# KiCad board RoyBoard.kicad_pcb (continued)
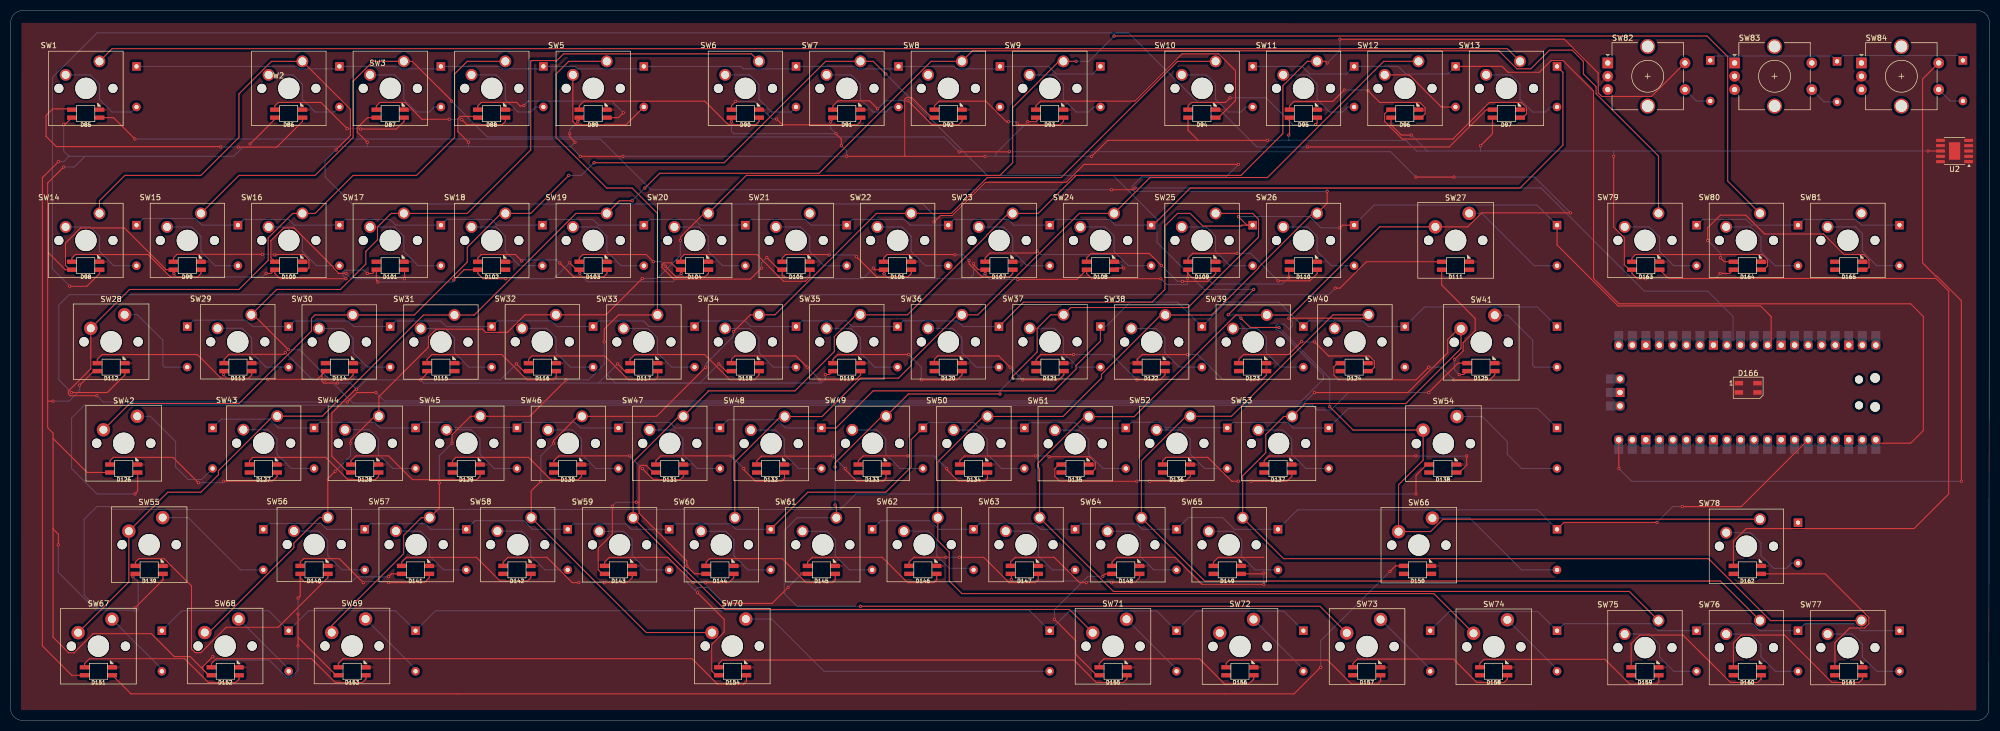
[diagram p0: board, top side]
## Nets (continued)
Net-(D44-A): D44.2 SW44.2
Net-(D45-A): D45.2 SW45.2
Net-(D46-A): D46.2 SW46.2
Net-(D47-A): D47.2 SW47.2
Net-(D48-A): D48.2 SW48.2
Net-(D49-A): D49.2 SW49.2
Net-(D50-A): D50.2 SW50.2
Net-(D51-A): D51.2 SW51.2
Net-(D52-A): D52.2 SW52.2
Net-(D53-A): D53.2 SW53.2
Net-(D54-A): D54.2 SW54.2
Net-(D55-A): D55.2 SW55.2
Net-(D56-A): D56.2 SW56.2
Net-(D57-A): D57.2 SW57.2
Net-(D58-A): D58.2 SW58.2
Net-(D59-A): D59.2 SW59.2
Net-(D60-A): D60.2 SW60.2
Net-(D61-A): D61.2 SW61.2
Net-(D62-A): D62.2 SW62.2
Net-(D63-A): D63.2 SW63.2
Net-(D64-A): D64.2 SW64.2
Net-(D65-A): D65.2 SW65.2
Net-(D66-A): D66.2 SW66.2
Net-(D67-A): D67.2 SW67.2
Net-(D68-A): D68.2 SW68.2
Net-(D69-A): D69.2 SW69.2
Net-(D70-A): D70.2 SW70.2
Net-(D71-A): D71.2 SW71.2
Net-(D72-A): D72.2 SW72.2
Net-(D73-A): D73.2 SW73.2
Net-(D74-A): D74.2 SW74.2
Net-(D75-A): D75.2 SW75.2
Net-(D76-A): D76.2 SW76.2
Net-(D77-A): D77.2 SW77.2
Net-(D78-A): D78.2 SW78.2
Net-(D79-A): D79.2 SW79.2
Net-(D80-A): D80.2 SW80.2
Net-(D81-A): D81.2 SW81.2
Net-(D82-A): D82.2 SW83.S2
Net-(D83-A): D83.2 SW82.S2
Net-(D84-A): D84.2 SW84.S2
Net-(D85-DOUT): D85.1 D86.3
Net-(D86-DOUT): D86.1 D87.3
Net-(D87-DOUT): D87.1 D88.3
Net-(D88-DOUT): D88.1 D89.3
Net-(D89-DOUT): D89.1 D90.3
Net-(D90-DOUT): D90.1 D91.3
Net-(D91-DOUT): D91.1 D92.3
Net-(D92-DOUT): D92.1 D93.3
Net-(D93-DOUT): D93.1 D94.3
Net-(D94-DOUT): D94.1 D95.3
Net-(D95-DOUT): D95.1 D96.3
Net-(D96-DOUT): D96.1 D97.3
Net-(D97-DOUT): D97.1 D98.3
Net-(D98-DOUT): D98.1 D99.3
Net-(D100-DIN): D99.1 D100.3
Net-(D100-DOUT): D100.1 D101.3
Net-(D101-DOUT): D101.1 D102.3
Net-(D102-DOUT): D102.1 D103.3
Net-(D103-DOUT): D103.1 D104.3
Net-(D104-DOUT): D104.1 D105.3
Net-(D105-DOUT): D105.1 D106.3
Net-(D106-DOUT): D106.1 D107.3
Net-(D107-DOUT): D107.1 D108.3
Net-(D108-DOUT): D108.1 D109.3
Net-(D109-DOUT): D109.1 D110.3
Net-(D110-DOUT): D110.1 D111.3
Net-(D111-DOUT): D111.1 D112.3
Net-(D112-DOUT): D112.1 D113.3
Net-(D113-DOUT): D113.1 D114.3
Net-(D114-DOUT): D114.1 D115.3
Net-(D115-DOUT): D115.1 D116.3
Net-(D116-DOUT): D116.1 D117.3
Net-(D117-DOUT): D117.1 D118.3
Net-(D118-DOUT): D118.1 D119.3
Net-(D119-DOUT): D119.1 D120.3
Net-(D120-DOUT): D120.1 D121.3
Net-(D121-DOUT): D121.1 D122.3
Net-(D123-DOUT): D123.1 D124.3
Net-(D124-DOUT): D124.1 D125.3
Net-(D125-DOUT): D125.1 D126.3
Net-(D126-DOUT): D126.1 D127.3
Net-(D127-DOUT): D127.1 D128.3
Net-(D128-DOUT): D128.1 D129.3
Net-(D129-DOUT): D129.1 D130.3
Net-(D130-DOUT): D130.1 D131.3
Net-(D131-DOUT): D131.1 D132.3
Net-(D132-DOUT): D132.1 D133.3
Net-(D133-DOUT): D133.1 D134.3
Net-(D134-DOUT): D134.1 D135.3
Net-(D135-DOUT): D135.1 D136.3
Net-(D136-DOUT): D136.1 D137.3
Net-(D137-DOUT): D137.1 D138.3
Net-(D138-DOUT): D138.1 D139.3
Net-(D139-DOUT): D139.1 D140.3
Net-(D140-DOUT): D140.1 D141.3
Net-(D141-DOUT): D141.1 D142.3
Net-(D142-DOUT): D142.1 D143.3
Net-(D143-DOUT): D143.1 D144.3
Net-(D144-DOUT): D144.1 D145.3
Net-(D145-DOUT): D145.1 D146.3
Net-(D146-DOUT): D146.1 D147.3
Net-(D147-DOUT): D147.1 D148.3
Net-(D148-DOUT): D148.1 D149.3
Net-(D149-DOUT): D149.1 D150.3
Net-(D150-DOUT): D150.1 D151.3
Net-(D151-DOUT): D151.1 D152.3
Net-(D152-DOUT): D152.1 D153.3
Net-(D153-DOUT): D153.1 D154.3
Net-(D154-DOUT): D154.1 D155.3
Net-(D155-DOUT): D155.1 D156.3
Net-(D156-DOUT): D156.1 D157.3
Net-(D157-DOUT): D157.1 D158.3
Net-(D158-DOUT): D158.1 D159.3
Net-(D159-DOUT): D159.1 D160.3
Net-(D160-DOUT): D160.1 D161.3
Net-(D161-DOUT): D161.1 D162.3
Net-(D162-DOUT): D162.1 D163.3
Net-(D163-DOUT): D163.1 D164.3
Net-(D164-DOUT): D164.1 D165.3
Net-(D165-DOUT): D165.1 D166.3

Pads without a net: D166 1; SW82 MP; SW83 MP; SW84 MP; U1 3 8 13 18 23 28 30 33 35 36 37 39 41 42 43; U2 1 2 3 4 5 6 7 10 11

## Via types
v1: diameter 0.6, hole 0.3, Top to Bottom, 230 vias

## Routing (per net, layer and track width the routed paths; a pad name or vN(x,y) marks a point on that pad's centre or on a via; arc(x,y) is an arc through that point)
+5V: length 1558.7
  Top w0.2: v1(114.96,105.98) v1(106.96,105.98) ; v1(92.96,82.98) 88.7,82.98 87.7,83.97 D102.4 85.14,84.67 v1(83.2,82.74) ; v1(224.55,83.12) 221.81,83.12 221.05,83.88 D109.4 220.96,84.58 v1(220.96,83.09) ; 222.96,108.98 221.05,110.88 D94.4 ; 222.96,108.98 205.96,108.98 v1(202.96,105.98) ; 222.96,108.98 v1(235.96,108.98) ; 7.96,35.98 7.96,52.98 ; 7.96,35.98 8.96,34.98 v1(8.96,32.98) ; 7.96,35.98 7.96,15.64 10.89,12.71 11.91,12.71 15.48,16.28 26.42,16.28 30.72,11.98 33.7,11.98 37.2,8.47 ; 7.96,52.98 7.96,53.98 6.96,54.98 6.96,59.98 ; 7.96,52.98 14.36,46.57 D126.4 ; D111.4 268.67,81.79 274.96,75.51 274.96,73.22 272.69,70.96 272.69,69.44 v1(271.09,67.84) ; D95.4 240.1,110.12 v1(239.96,109.98) ; v1(9.96,103.98) 6.96,100.98 6.96,87.98 ; 53.96,15.61 61.09,8.47 D153.4 ; 53.96,15.61 v1(53.96,13.98) ; 53.96,15.61 v1(53.96,19.98) ; v1(112.96,40.24) 112.96,34.98 110.31,32.33 110.31,28.31 111.1,27.52 D143.4 ; D125.4 272.79,64.98 v1(271.96,64.98) ; v1(195.96,18.98) 199.96,14.98 199.96,12.41 203.89,8.47 D155.4 ; 6.96,59.98 6.96,87.98 ; 6.96,59.98 v1(7.96,59.98) ; v1(61.36,63.38) 58.81,63.38 58.45,63.73 58.45,64.95 D114.4 57.59,64.09 v1(48.26,64.09) ; D90.4 135.32,112.51 v1(135.32,112.5) ; 6.96,87.98 10.26,84.67 D98.4 11.09,84.67 10.3,85.46 10.3,89.67 13.16,92.52 21.36,92.52 29.2,84.67 D99.4 30.55,84.08 v1(30.65,83.98) ; v1(133.96,21.98) 142.96,21.98 v1(145.96,24.98) ; v1(62.96,82.98) 50.6,82.98 49.6,83.97 D100.4 48.9,83.98 v1(47.96,83.98) ; v1(262.96,109.98) 261.08,109.98 259.15,111.9 D96.4 ; D97.4 278.2,110.22 v1(275.96,107.98) ; v1(215.96,82.98) 203,82.98 202,83.97 D108.4 200.17,82.85 v1(189.08,82.85) ; v1(64.93,62.19) 64.75,62.19 60.31,57.75 60.31,49.63 63.36,46.57 D128.4 ; v1(132.96,66.98) 134.31,65.62 D118.4 ; v1(164,83.92) 163.9,84.02 D106.4 162.26,84.67 v1(161.96,84.98) ; 117.99,40.98 117.99,38.92 126.96,29.95 v1(126.96,28.98) 128.41,27.52 D144.4 ; 117.99,40.98 v1(117.46,40.98) ; 117.99,40.98 117.99,47.56 118.34,47.91 119.32,47.91 120.66,46.57 D131.4 ; D139.4 23.41,27.43 v1(22.96,26.98) ; D145.4 148.55,27.52 v1(148.53,27.55) ; D88.4 87.47,113.48 84.44,113.48 83.96,113 83.96,110.62 v1(85.96,108.62) ; v1(44.96,108.31) 49.6,112.95 D86.4 ; v1(12.96,62.98) 15.6,65.62 D112.4 ; D87.4 66.99,113.25 65.08,111.35 65.08,110.49 v1(66.96,108.62) ; 37.2,8.47 35.96,9.72 35.96,9.98 v1(37.96,11.98) ; 37.2,8.47 D152.4 ; v1(141.96,86.98) 144.26,84.67 D105.4 144.85,83.61 v1(145.15,83.31) ; v1(76.96,63.98) 78.17,65.2 D115.4 ; v1(128.96,23.98) 133.96,18.98 133.96,16.59 131.63,14.26 131.63,9.3 132.45,8.47 D154.4 ; v1(154.96,110.22) 155.96,109.22 v1(155.96,107.98) ; v1(105.96,108.62) 104.96,109.62 v1(104.96,110.22) ; D89.4 106.75,112.79 v1(106.46,112.5) ; 167.96,105.98 167.86,106.07 167.86,116.69 168.21,117.04 169.14,117.04 172.93,113.25 D92.4 ; 167.96,105.98 v1(156.96,105.98) ; 167.96,105.98 v1(182.96,105.98) ; D147.4 187.87,27.37 v1(187.87,26.48) ; v1(8.96,104.98) 5.96,101.98 5.96,13.98 11.46,8.47 D151.4 ; v1(239.96,83.19) 239.96,84.53 D110.4 ; D141.4 71.5,27.52 v1(70.96,26.98) ; v1(300.96,105.98) 300.96,92.68 302.96,90.68 302.96,85.62 303.9,84.67 D163.4 304.39,83.97 305.39,82.98 v1(306.96,82.98) ; D93.4 192.77,112.95 192.77,112.75 192.52,112.5 v1(190.96,112.5) ; U2.8 v1(359.96,106.98) ; v1(125.9,83.98) 125.9,84.57 D104.4 125.31,84.67 124.02,85.96 122.64,85.96 122.28,85.61 122.28,85.11 124.47,82.92 138.9,82.92 v1(140.96,84.98) ; v1(53.96,22.98) 54.36,23.38 D140.4 54.36,26.82 55.21,25.97 v1(57.86,25.97) ; D119.4 153.74,64.98 v1(152.96,64.98) ; D148.4 205.5,27.52 v1(205.04,27.07) ; v1(66.96,83.98) 67.95,83.98 D101.4 68.65,82.68 v1(68.96,82.38) ; v1(182.96,83.98) 182.96,84.67 D107.4 181.7,84.67 180.77,85.61 v1(180.77,85.79) ; v1(9.96,111.98) 10.23,111.98 D85.4 ; D113.4 39.96,65.51 v1(39.96,64.98) ; v1(106.85,83.98) 106.75,84.08 D103.4 106.26,84.67 v1(104.96,85.98) ; v1(153.96,112.5) 154.37,112.92 D91.4 ; D116.4 96.31,65.62 v1(94.96,66.98) ; D164.4 322.75,83.98 v1(320.96,83.98) ; D117.4 115.31,65.62 v1(113.96,66.98)
  Bottom w0.2: v1(125.9,83.98) 124.34,82.43 108.3,82.43 106.85,83.87 v1(106.85,83.98) ; v1(114.96,105.98) v1(156.96,105.98) 156.96,106.98 v1(155.96,107.98) ; v1(104.96,110.22) 104.96,111 v1(106.46,112.5) ; v1(359.96,106.98) 300.96,106.98 ; 300.96,106.98 v1(300.96,105.98) ; 300.96,106.98 275.96,106.98 ; 201.38,26.17 195.96,20.75 v1(195.96,18.98) ; 201.38,26.17 188.17,26.17 v1(187.87,26.48) ; 201.38,26.17 202.27,27.07 v1(205.04,27.07) ; v1(9.96,103.98) 11.96,103.98 13.96,105.98 ; v1(224.55,83.12) 225.7,81.98 238.75,81.98 v1(239.96,83.19) ; v1(76.96,63.98) 66.72,63.98 v1(64.93,62.19) 63.75,63.38 v1(61.36,63.38) ; v1(76.96,63.98) 91.96,63.98 v1(94.96,66.98) ; v1(76.96,63.98) 77.56,63.38 110.35,63.38 ; v1(133.96,21.98) 130.96,24.98 128.96,24.98 128.46,24.48 ; v1(128.96,23.98) 128.46,24.48 ; 128.46,24.48 126.96,25.98 v1(126.96,28.98) ; v1(53.96,22.98) v1(53.96,19.98) ; v1(8.96,32.98) 8.96,27.79 16.03,20.71 22.89,20.71 23.09,20.51 23.59,20.51 23.94,20.87 23.94,26 v1(22.96,26.98) ; 275.96,106.98 265.96,106.98 ; 275.96,106.98 v1(275.96,107.98) ; 265.96,106.98 263.96,106.98 261.96,108.98 239.96,108.98 ; 265.96,106.98 v1(262.96,109.98) ; v1(57.86,25.97) 63.95,25.97 64.96,26.98 v1(70.96,26.98) ; v1(104.96,85.98) 101.96,82.98 v1(92.96,82.98) ; v1(161.96,84.98) 159.96,82.98 145.48,82.98 v1(145.15,83.31) ; v1(180.77,85.79) 180.77,83.79 179.96,82.98 ; v1(47.96,83.98) 47.3,83.32 31.2,83.32 30.65,83.87 v1(30.65,83.98) ; 110.35,63.38 111.96,64.98 ; 110.35,63.38 129.35,63.38 v1(132.96,66.98) ; 111.96,64.98 113.56,63.38 152.17,63.38 152.96,64.16 v1(152.96,64.98) ; 111.96,64.98 v1(113.96,66.98) ; v1(39.96,64.98) 40.85,64.09 v1(48.26,64.09) ; v1(9.96,111.98) 9.96,106.98 10.96,105.98 ; v1(271.96,64.98) 271.09,65.84 v1(271.09,67.84) ; v1(68.96,82.38) 82.84,82.38 v1(83.2,82.74) ; v1(7.96,59.98) 10.96,59.98 12.96,61.98 v1(12.96,62.98) ; 239.96,108.98 v1(235.96,108.98) ; 239.96,108.98 v1(239.96,109.98) ; 184.96,105.98 v1(182.96,105.98) ; 184.96,105.98 v1(202.96,105.98) ; 184.96,105.98 184.96,106.5 v1(190.96,112.5) ; 179.96,82.98 181.96,82.98 v1(182.96,83.98) 182.96,83.72 183.83,82.85 v1(189.08,82.85) ; 179.96,82.98 164.9,82.98 164,83.87 v1(164,83.92) ; v1(53.96,13.98) 53.96,9.42 52.66,8.12 51.74,8.12 48.54,11.33 38.61,11.33 v1(37.96,11.98) ; v1(215.96,82.98) 217.05,81.89 220.86,81.89 220.96,81.98 v1(220.96,83.09) ; v1(320.96,83.98) 319.96,82.98 v1(306.96,82.98) ; v1(117.46,40.98) 113.69,40.98 v1(112.96,40.24) ; 10.96,105.98 9.96,104.98 v1(8.96,104.98) ; 10.96,105.98 13.96,105.98 ; 44.96,107.79 43.67,107.79 41.87,105.98 13.96,105.98 ; 44.96,107.79 66.96,107.79 ; 44.96,107.79 v1(44.96,108.31) ; v1(62.96,82.98) 62.35,83.58 62.35,84.23 62.71,84.58 66.35,84.58 v1(66.96,83.98) ; v1(85.96,108.62) 85.96,107.79 ; 85.96,107.79 105.15,107.79 ; 85.96,107.79 66.96,107.79 ; v1(148.53,27.55) v1(145.96,24.98) ; 66.96,107.79 v1(66.96,108.62) ; 105.15,107.79 105.15,107.81 v1(105.96,108.62) ; 105.15,107.79 v1(106.96,105.98) ; v1(153.96,112.5) 153.96,111.22 v1(154.96,110.22) 135.76,110.22 135.32,110.66 v1(135.32,112.5) ; v1(140.96,84.98) 140.96,85.98 v1(141.96,86.98)
GND: length 28.4
  Top w0.2: D122.1 211.52,67.82 212.44,68.74 220.98,68.74 v1(220.98,68.74) ; D123.3 235.77,64.92 234.83,63.98 v1(232.89,63.98)
  Bottom w0.2: v1(232.89,63.98) 227.6,63.98 222.84,68.74 v1(220.98,68.74)
col1: length 522.4
  Top w0.2: v1(159.54,21.43) 245.83,21.43 SW73.1 ; v1(185.74,61.31) 168.53,61.31 SW49.1 163.56,57.13 154.78,48.35 v1(154.78,47.63) ; SW61.1 155.02,40.25 v1(154.78,40.48) ; v1(188.12,64.3) 188.12,64.62 192.72,69.23 192.72,73.66 195.27,76.21 SW37.1 199.03,77.57 221.06,77.57 234.28,90.79 234.28,94.15 233.17,95.25 SW25.1 ; SW1.1 19.05,126.21 280.99,126.21 SW13.1
  Bottom w0.2: v1(188.12,64.3) 185.74,61.91 v1(185.74,61.31) ; v1(159.54,21.43) 147.64,21.43 145.26,23.81 145.26,35.72 147.61,38.07 SW61.1 ; v1(154.78,40.48) v1(154.78,47.63)
col2: length 544.5
  Top w0.2: v1(230.51,104.46) 201.52,104.46 198.15,101.09 183.02,101.09 176.78,94.85 174.56,94.85 v1(173.36,93.64) ; v1(247.17,99.41) 247.17,97.16 SW26.1 244.43,95.25 234.28,85.1 234.28,84.97 225.47,76.17 SW38.1 215.95,76.17 204.79,65.01 204.79,64.3 197.59,57.1 SW50.1 182.6,57.1 174.06,48.56 SW62.1 174.06,33.8 176.21,31.64 176.21,26.2 178.59,23.81 267.2,23.81 SW74.1 ; v1(61.09,107.19) 63.79,109.88 63.79,114.81 SW2.1 48.98,123.83 42.86,117.71 42.86,109.54 35.72,102.4 21.43,102.4 16.67,97.63 SW14.1
  Bottom w0.2: v1(173.36,93.64) 173.36,94.93 171.26,97.03 64.1,97.03 59.06,102.08 59.06,105.15 v1(61.09,107.19) ; v1(247.17,99.41) 210.89,99.41 210.51,99.79 210.51,100.29 212.3,102.08 228.12,102.08 v1(230.51,104.46)
col3: length 541
  Top w0.2: v1(178.09,106.81) 187.49,106.81 v1(187.52,106.84) ; SW15.1 42.86,102.4 57.15,102.4 64.29,109.54 64.29,120.09 68.03,123.83 SW3.1 75.41,123.83 82.74,116.49 v1(82.74,116.37) ; v1(263.84,102.08) v1(270.99,102.08) ; v1(292.84,95.36) 276.17,95.36 273.54,92.73 SW27.1 257.03,92.73 240.47,76.17 SW39.1 230.04,76.17 210.94,57.06 SW51.1 201.62,57.06 192.88,48.32 192.88,47.63 193.17,47.34 SW63.1 207.05,24.22 303.91,24.22 SW75.1
  Bottom w0.2: v1(187.52,106.84) 259.08,106.84 v1(263.84,102.08) ; v1(178.09,106.81) 175.28,109.62 89.49,109.62 v1(82.74,116.37) ; v1(270.99,102.08) 286.12,102.08 v1(292.84,95.36)
col4: length 585
  Top w0.2: SW4.1 85.73,123.83 83.34,121.45 83.34,109.54 76.2,102.4 64.29,102.4 57.15,95.25 SW16.1 52.94,95.25 48.35,90.66 48.35,86.45 42.86,80.96 22.34,80.96 SW28.1 15.04,66.06 10.83,61.85 10.83,61.35 11.18,61 v1(16.19,61) ; v1(239.97,75.57) 254.3,75.57 SW40.1 248.25,76.19 229.19,57.13 SW52.1 220.65,57.13 212.29,48.77 SW64.1 224.18,26.17 321,26.17 SW76.1 ; v1(63.22,59.82) 65,61.6 v1(68.58,61.6)
  Bottom w0.2: v1(63.22,59.82) 17.37,59.82 v1(16.19,61) ; v1(68.58,61.6) 70.16,60.02 242.36,60.02 246.48,64.13 246.48,64.9 238.16,73.22 237.88,73.22 237.52,73.57 237.52,74.07 237.88,74.42 239.11,74.42 240.03,73.5 240.64,74.11 240.64,74.89 v1(239.97,75.57)
col5: length 558.7
  Top w0.2: SW77.1 330.41,18.75 318.78,30.38 238.99,30.38 SW65.1 231.3,45.95 235.64,50.29 235.64,53.7 239.03,57.1 SW53.1 243.02,59.53 261.94,59.53 272.29,69.88 SW41.1 271.83,73.58 269.79,71.55 269.79,69.08 262.31,61.6 v1(244.79,61.6) ; v1(52.13,69.65) 45.58,76.21 SW29.1 49.94,80.96 61.91,80.96 66.68,85.73 66.68,88.11 68.87,90.3 68.87,92.68 71.44,95.25 SW17.1 85.73,95.25 97.63,107.16 97.63,123.83 97.78,123.98 102.25,123.98 102.39,123.83 103.8,125.23 139.09,125.23 SW6.1
  Bottom w0.2: v1(52.13,69.65) 54.23,69.65 64.27,59.62 242.81,59.62 v1(244.79,61.6)
col6: length 413.2
  Top w0.2: v1(247.65,58.93) 252.04,54.54 SW54.1 265.18,48.87 260.57,44.26 SW66.1 266.57,35.46 268.91,37.8 SW78.1 ; v1(109.54,104.78) 133.96,104.78 153.01,123.83 SW7.1 161.93,123.83 v1(164.31,121.45) ; v1(104.78,102.4) 97.63,95.25 SW18.1 92.08,95.25 85.73,88.89 85.73,86.11 75.79,76.18 SW30.1 57.13,76.18 56.48,75.53 56.48,73.15 42.86,59.53 22.35,59.53 SW42.1 ; v1(230.98,75.57) 232.73,73.82 v1(238.13,73.82) ; v1(228.6,76.2) v1(233.36,80.96)
  Bottom w0.2: v1(104.78,102.4) 107.16,102.4 v1(109.54,104.78) ; v1(233.36,80.96) 224.06,80.96 215.23,89.8 215.23,94.15 206.98,102.4 183.36,102.4 v1(164.31,121.45) ; v1(230.98,75.57) 230.35,76.2 v1(228.6,76.2) ; v1(238.13,73.82) 247.65,64.3 v1(247.65,58.93)
col7: length 372.1
  Top w0.2: SW67.1 22.19,25.99 SW55.1 29.5,42.86 35.72,42.86 39.01,46.16 39.01,46.92 49.25,57.16 SW43.1 58.53,57.16 77.53,76.17 SW31.1 87.04,76.17 106.13,95.25 SW19.1 114.3,97.63 v1(116.68,97.63) ; v1(119.06,100.01) 121.85,102.8 151.77,102.8 172.8,123.83 SW8.1 180.57,125.81 279.41,125.81 282.79,122.43 285.41,122.43 288.92,125.93 293.17,125.93 295.28,123.83 295.28,121.45 297.66,119.06 297.66,117.74 309.37,106.03 SW79.1
  Bottom w0.2: v1(119.06,100.01) v1(116.68,97.63)
col8: length 384.3
  Top w0.2: SW68.1 37.22,16.5 53.16,32.44 53.16,33.3 57.98,38.12 SW56.1 59.54,45.41 v1(60.91,46.79) ; v1(200.03,123.83) SW9.1 196.8,123.83 188.12,115.14 188.12,104.78 185.74,102.4 138.11,102.4 SW20.1 130.18,95.25 125.73,90.8 v1(125.73,90.17) ; SW80.1 322.36,101.33 322.36,124.72 318.49,128.59 v1(207.17,128.59) ; v1(63.82,52.07) 63.82,52.62 68.34,57.14 SW44.1 69.13,60.81 78.43,70.11 78.43,72.06 79.87,73.5 88.59,73.5 89.2,72.89 93.26,72.89 96.57,76.21 SW32.1 111.77,76.21 v1(118.59,83.03)
  Bottom w0.2: v1(118.59,83.03) 121.41,83.03 125.73,87.35 v1(125.73,90.17) ; v1(207.17,128.59) 202.41,123.83 v1(200.03,123.83) ; v1(63.82,52.07) 63.82,49.69 v1(60.91,46.79)
col9: length 165.6
  Top w0.2: v1(104.3,63.98) 97.46,57.14 SW45.1 86.35,57.14 82.87,53.66 v1(82.87,52.07) ; SW69.1 60.28,17.8 73.78,31.3 73.78,34.77 77.11,38.1 SW57.1 80.49,39.92 v1(80.49,44.62) ; v1(111.44,71.12) 111.44,73.5 114.12,76.18 SW33.1 121.43,95.26 116.68,100.01 111.92,100.01 102.39,109.54 102.39,121.45 104.78,123.83 SW5.1
  Bottom w0.2: v1(104.3,63.98) 108.51,63.98 111.44,66.91 v1(111.44,71.12) ; v1(82.87,52.07) 80.49,49.69 v1(80.49,44.62)
col10: length 213.8
  Top w0.2: v1(135.72,73.05) 138.86,76.19 SW34.1 140.5,76.2 143.49,76.2 162.54,95.25 SW22.1 176.61,95.25 183.36,101.99 197.24,101.99 219.08,123.83 SW10.1 ; v1(101.92,52.07) 101.92,52.58 106.46,57.12 SW46.1 121.26,57.12 v1(130.49,66.36) ; SW70.1 119.33,16.5 SW58.1 97.74,43.13 v1(99.54,44.93)
  Bottom w0.2: v1(101.92,52.07) 99.54,49.69 v1(99.54,44.93) ; v1(130.49,66.36) 130.49,66.98 135.72,72.21 v1(135.72,73.05)
col11: length 353.8
  Top w0.2: v1(249.56,127.99) 291.68,127.99 298.06,121.61 298.06,117.91 298.74,117.22 308.05,117.22 SW82.S1 ; SW71.1 198.78,20.83 134.09,20.83 SW59.1 116.86,48.53 125.45,57.12 SW47.1 130.97,61.8 130.97,61.91 147.26,61.91 154.63,69.29 154.63,72.09 158.74,76.2 SW35.1 168.35,76.2 183.23,91.07 183.23,91.15 187.33,95.25 SW23.1 192.88,95.25 200.03,102.4 230.98,102.4 238.85,110.26 238.85,119.24 243.44,123.83 SW11.1 246.86,123.83 v1(247.17,123.51)
  Bottom w0.2: v1(247.17,123.51) 249.56,125.89 v1(249.56,127.99)
col12: length 324.1
  Top w0.2: SW84.S1 358.96,120.51 358.96,85.95 361.47,83.43 361.64,83.43 366.24,78.83 v1(366.24,44.93) ; SW12.1 257.79,123.83 235.96,101.99 213.91,101.99 SW24.1 200.64,95.25 181.58,76.2 SW36.1 177.81,76.2 169.07,67.46 169.07,66.68 166.69,64.3 159.54,64.3 152.33,57.08 SW48.1 144.53,57.08 135.97,48.52 SW60.1 ; v1(301.94,47.31) 301.91,47.34 U1.20
  Bottom w0.2: v1(366.24,44.93) 304.32,44.93 v1(301.94,47.31)
rgb: length 328.3
  Top w0.2: v1(206.69,99.7) 210.77,99.7 v1(211.11,100.04) ; D85.3 19.31,113.25 v1(23.34,109.22)
  Bottom w0.2: v1(23.34,109.22) 110.71,109.22 120.23,99.7 v1(206.69,99.7) ; v1(211.11,100.04) 287.31,100.04 306.71,80.65 318.61,80.65 323.37,75.88 323.37,71.64 U1.29
row1: length 386.6
  Top w0.2: U1.1 350.82,52.07 356.71,52.07 359.09,54.45 359.09,75.88 356.71,78.27 301.94,78.27 297.18,83.03 297.18,118.22 291.43,123.98 289.22,123.98 287.02,121.77 281.13,121.77 280.03,122.87 D12.1
  Bottom w0.2: D12.1 269.85,121.45 261.94,121.45 260.51,122.87 D11.1 250.8,121.45 243.92,121.45 242.49,122.87 D10.1 ; D1.1 53.74,122.87 54.19,122.43 61.28,122.43 D2.1 72.79,122.87 73.24,122.43 80.33,122.43 D3.1 91.84,122.87 92.29,122.43 99.56,122.43 D4.1 105.96,122.87 106.41,122.43 118.43,122.43 D9.1 137.16,122.87 137.61,122.43 147,122.43 D5.1 158.52,122.87 158.96,122.43 166.24,122.43 D6.1 177.17,122.87 177.61,122.43 185.29,122.43 D7.1 194.87,122.87 196.3,121.45 203.17,121.45 D8.1
row2: length 298.3
  Top w0.2: D24.1 214.49,93.04 221.46,100.01 283.37,100.01 291.43,108.07 291.43,121.77 D13.1
  Bottom w0.2: D24.1 207.4,93.04 206.33,94.11 196.14,94.11 D23.1 188.35,93.04 187.28,94.11 177.09,94.11 D22.1 168.9,93.04 167.83,94.11 158.04,94.11 D21.1 150.25,93.04 149.18,94.11 138.99,94.11 D20.1 129.45,93.04 128.38,94.11 119.94,94.11 D19.1 110.4,93.04 109.33,94.11 100.89,94.11 D18.1 91.35,93.04 90.28,94.11 81.84,94.11 D17.1 72.3,93.04 71.23,94.11 62.79,94.11 D16.1 53.25,93.04 52.18,94.11 43.74,94.11 D15.1 35.95,93.04 34.68,94.31 24.89,94.31 D14.1
row3: length 346.5
  Top w0.2: v1(249.56,92.55) 250.05,93.04 D26.1 ; v1(230.51,94.65) 232.11,93.04 D25.1 231.16,93.04 230.98,92.87 223.84,92.87 221.46,95.25 219.08,95.25 216.69,92.87 216.69,80.96 214.31,78.58 190.14,78.58 D36.1 ; U1.32 330.47,71.12 330.52,71.12 330.52,75.88 328.54,77.86 301.78,77.86 290.32,89.32 D27.1
  Bottom w0.2: D26.1 256,96.82 286.55,96.82 D27.1 ; v1(249.56,92.55) 245.99,92.55 243.89,94.65 v1(230.51,94.65) ; D28.1 34.34,75.18 44.23,75.18 45.41,73.99 D29.1 53.24,75.04 63.39,75.04 64.43,73.99 D30.1 72.28,75.03 80.73,75.03 81.77,73.99 D31.1 91.37,75.07 101.52,75.07 102.59,73.99 D32.1 110.39,75.04 118.84,75.04 119.89,73.99 D33.1 129.45,75.05 137.89,75.05 138.95,73.99 D34.1 148.51,75.06 156.93,75.06 158,73.99 D35.1 167.56,75.06 177.75,75.06 178.81,73.99 D36.1
row4: length 279.9
  Top w0.2: D48.1 154.96,54.94 161.93,61.91 195.93,61.91 200.03,66.01 200.03,66.68 204.6,71.25 D37.1
  Bottom w0.2: D48.1 145.48,54.94 143.92,56.5 134.72,56.5 D47.1 124.74,54.94 123.7,55.98 115.15,55.98 D46.1 106.98,54.94 105.94,55.98 96.1,55.98 D45.1 95,55 83.41,55 82.41,56 77.07,56 D44.1 69.35,54.94 68.29,56 58.02,56 D43.1 50.28,54.94 48.64,56.58 39.55,56.58 D42.1 ; D37.1 205.6,73.99 210.19,78.58 219.06,78.58 D38.1 228.24,78.58 238.11,78.58 D39.1 243.75,75.05 253.91,75.05 254.97,73.99 D40.1 265.43,77.67 286.65,77.67 D41.1
row5: length 265
  Top w0.2: D60.1 149.66,42.86 164.31,42.86 169.07,47.63 169.07,52.75 D49.1
  Bottom w0.2: D54.1 286.64,58.63 251.15,58.63 D53.1 240.77,54.94 239.75,55.96 229.43,55.96 D52.1 228.36,54.99 216.72,54.99 215.72,55.99 210.41,55.99 D51.1 200.8,54.94 199.82,55.92 191.29,55.92 D50.1 181.82,54.94 180.8,55.96 172.28,55.96 D49.1 ; D55.1 48.53,36.98 58.27,36.98 59.36,35.89 D56.1 67.56,36.96 77.83,36.96 78.9,35.89 D57.1 87.15,37.51 96.34,37.51 97.96,35.89 D58.1 105.62,36.92 115.48,36.92 116.51,35.89 D59.1 124.68,36.93 135.13,36.93 136.17,35.89 D60.1
row6: length 420.4
  Top w0.2: v1(313.85,40.17) 324.92,40.17 U1.6 ; D66.1 291.63,37.2 v1(309.09,37.2)
  Bottom w0.2: D72.1 239.03,20.51 222.56,20.51 D71.1 215.18,20.55 198.78,20.55 D70.1 191.33,20.59 79.76,20.59 D69.1 72.25,20.6 55.96,20.6 D68.1 48.45,20.59 32.14,20.59 D67.1 ; D61.1 163.35,37.51 172.66,37.51 174.28,35.89 D62.1 181.85,36.95 192.33,36.95 193.39,35.89 D63.1 200.87,36.92 211.45,36.92 212.48,35.89 D64.1 221.09,38.1 227.53,38.1 229.74,35.89 D65.1 241.6,39.55 286.67,39.55 D66.1 ; v1(313.85,40.17) 312.05,40.17 v1(309.09,37.2)
row7: length 183.3
  Bottom w0.2: D79.1 317.6,94.13 325.84,94.13 326.92,93.04 D80.1 336.65,94.13 346.41,94.13 347.49,93.04 D81.1 ; D84.1 365.6,124.92 344,124.92 D82.1 341.9,124.83 319.91,124.83 D83.1 ; D77.1 347.4,16.84 346.07,18.17 336.89,18.17 D76.1 328.35,16.84 327.02,18.17 317.84,18.17 D75.1 309.3,16.84 307.97,18.17 291.65,18.17 D74.1 286.72,20.45 270.12,20.45 D73.1
Net-(D1-A): length 18.3
  Bottom w0.2: SW1.2 14.91,121.29 16.67,119.53 16.67,116.68 19.05,114.3 22.67,114.3 D1.2
Net-(D2-A): length 18.3
  Bottom w0.2: SW2.2 53.01,121.29 54.77,119.53 54.77,116.68 57.15,114.3 60.77,114.3 D2.2
Net-(D3-A): length 18.5
  Bottom w0.2: SW3.2 72.06,121.29 73.82,119.53 73.82,116.68 76.2,114.3 78.58,114.3 79.53,115.25 D3.2 80.96,115.07
Net-(D4-A): length 18.5
  Bottom w0.2: SW4.2 91.11,121.29 92.87,119.53 92.87,116.68 95.25,114.3 97.63,114.3 98.58,115.25 D4.2
Net-(D5-A): length 18.3
  Bottom w0.2: D5.2 146.5,114.3 142.88,114.3 140.49,116.68 140.49,119.53 138.74,121.29 SW6.2
Net-(D6-A): length 18.5
  Bottom w0.2: SW7.2 157.79,121.29 159.54,119.53 159.54,116.68 161.93,114.3 164.31,114.3 165.26,115.25 D6.2
Net-(D8-A): length 18.3
  Bottom w0.2: SW9.2 195.89,121.29 197.64,119.53 197.64,116.68 200.03,114.3 202.41,114.3 203.36,115.25 D8.2
Net-(D9-A): length 23.7
  Top w0.2: D9.2 115.52,111.9 106.19,111.9 105.55,112.54 105.55,121.27 SW5.2
Net-(D10-A): length 18.3
  Bottom w0.2: SW10.2 224.46,121.29 226.22,119.53 226.22,116.68 228.6,114.3 230.98,114.3 231.93,115.25 D10.2
Net-(D11-A): length 18.3
  Bottom w0.2: D11.2 250.98,115.25 250.03,114.3 247.65,114.3 245.27,116.68 245.27,119.53 243.51,121.29 SW11.2
Net-(D12-A): length 15.8
  Top w0.2: SW12.2 262.56,121.29 268.6,115.25 D12.2
Net-(D13-A): length 18.3
  Bottom w0.2: SW13.2 281.61,121.29 283.37,119.53 283.37,116.68 285.75,114.3 288.13,114.3 289.08,115.25 D13.2
Net-(D14-A): length 18
  Bottom w0.2: SW14.2 14.91,92.71 16.67,90.96 16.67,88.11 19.35,85.42 D14.2
Net-(D15-A): length 18
  Bottom w0.2: D15.2 38.4,85.42 35.72,88.11 35.72,90.96 33.96,92.71 SW15.2
Net-(D16-A): length 18
  Bottom w0.2: SW16.2 53.01,92.71 54.77,90.96 54.77,88.11 57.45,85.42 D16.2
Net-(D17-A): length 18
  Bottom w0.2: SW17.2 72.06,92.71 73.82,90.96 73.82,88.11 76.5,85.42 D17.2
Net-(D18-A): length 18
  Bottom w0.2: D18.2 95.55,85.42 92.87,88.11 92.87,90.96 91.11,92.71 SW18.2
Net-(D19-A): length 18
  Bottom w0.2: D19.2 114.6,85.42 111.92,88.11 111.92,90.96 110.16,92.71 SW19.2
Net-(D20-A): length 18
  Bottom w0.2: SW20.2 129.21,92.71 130.97,90.96 130.97,88.11 133.65,85.42 D20.2
Net-(D21-A): length 18
  Bottom w0.2: SW21.2 148.26,92.71 150.02,90.96 150.02,88.11 152.7,85.42 D21.2
Net-(D22-A): length 18
  Bottom w0.2: D22.2 171.75,85.42 169.07,88.11 169.07,90.96 167.31,92.71 SW22.2
Net-(D23-A): length 18
  Bottom w0.2: D23.2 190.8,85.42 188.12,88.11 188.12,90.96 186.36,92.71 SW23.2
Net-(D24-A): length 18
  Bottom w0.2: D24.2 209.85,85.42 207.17,88.11 207.17,91.01 205.47,92.71 SW24.2
Net-(D25-A): length 18
  Bottom w0.2: D25.2 228.9,85.42 226.22,88.11 226.22,90.96 224.46,92.71 SW25.2
Net-(D26-A): length 18
  Bottom w0.2: SW26.2 243.51,92.71 245.27,90.96 245.27,88.11 247.95,85.42 D26.2
Net-(D27-A): length 20.6
  Bottom w0.2: SW27.2 276.21,95.27 286.05,85.42 D27.2
Net-(D28-A): length 18.6
  Bottom w0.2: SW28.2 23.8,76.21 28.58,71.44 28.58,66.68 28.88,66.37 D28.2
Net-(D29-A): length 18
  Bottom w0.2: SW29.2 43.43,73.67 45.24,71.85 45.24,69.06 47.93,66.37 D29.2
Net-(D30-A): length 18
  Bottom w0.2: D30.2 66.98,66.37 64.29,69.06 64.29,71.82 62.48,73.64 SW30.2
Net-(D31-A): length 18
  Bottom w0.2: SW31.2 81.57,73.63 83.34,71.85 83.34,69.06 86.03,66.37 D31.2
Net-(D32-A): length 18
  Bottom w0.2: SW32.2 100.61,73.67 102.39,71.88 102.39,69.06 105.08,66.37 D32.2
Net-(D33-A): length 18
  Bottom w0.2: SW33.2 119.68,73.64 121.44,71.87 121.44,69.06 124.13,66.37 D33.2
Net-(D34-A): length 18
  Bottom w0.2: SW34.2 138.73,73.65 140.49,71.88 140.49,69.06 143.18,66.37 D34.2
Net-(D35-A): length 18
  Bottom w0.2: SW35.2 157.77,73.66 159.54,71.88 159.54,69.06 162.23,66.37 D35.2
Net-(D36-A): length 18
  Bottom w0.2: D36.2 181.28,66.37 178.59,69.06 178.59,71.9 176.84,73.66 SW36.2
Net-(D37-A): length 18
  Bottom w0.2: SW37.2 195.92,73.67 197.64,71.94 197.64,69.06 200.33,66.37 D37.2
Net-(D38-A): length 17.9
  Bottom w0.2: SW38.2 215.01,73.63 216.69,71.94 216.69,69.06 219.38,66.37 D38.2
Net-(D39-A): length 17.9
  Bottom w0.2: D39.2 238.43,66.37 235.74,69.06 235.74,71.96 234.08,73.63 SW39.2
Net-(D41-A): length 18.5
  Bottom w0.2: D41.2 286.05,66.37 285.75,66.68 285.75,71.44 281.07,76.12 SW41.2
Net-(D42-A): length 22.7
  Bottom w0.2: SW42.2 26.2,57.14 30.96,52.39 30.96,47.63 33.34,45.25 35.83,45.25 D42.2
Net-(D43-A): length 18
  Bottom w0.2: SW43.2 48.28,54.62 50.01,52.9 50.01,50.01 52.69,47.32 D43.2
Net-(D44-A): length 18
  Bottom w0.2: SW44.2 67.37,54.6 69.06,52.92 69.06,50.01 71.74,47.32 D44.2
Net-(D45-A): length 18
  Bottom w0.2: SW45.2 86.42,54.6 88.11,52.92 88.11,50.01 90.79,47.32 D45.2
Net-(D46-A): length 17.9
  Bottom w0.2: D46.2 109.84,47.32 107.16,50.01 107.16,52.92 105.49,54.58 SW46.2
Net-(D47-A): length 17.9
  Bottom w0.2: SW47.2 124.53,54.58 126.21,52.91 126.21,50.01 128.89,47.32 D47.2
Net-(D48-A): length 17.9
  Bottom w0.2: SW48.2 143.62,54.54 145.26,52.91 145.26,50.01 147.94,47.32 D48.2
Net-(D49-A): length 18
  Bottom w0.2: D49.2 166.99,47.32 164.31,50.01 164.31,52.88 162.59,54.59 SW49.2
Net-(D50-A): length 17.9
  Bottom w0.2: D50.2 186.04,47.32 183.36,50.01 183.36,52.84 181.63,54.56 SW50.2
Net-(D51-A): length 17.9
  Bottom w0.2: D51.2 205.09,47.32 202.41,50.01 202.41,52.77 200.65,54.52 SW51.2
Net-(D52-A): length 18
  Bottom w0.2: D52.2 224.14,47.32 221.46,50.01 221.46,52.87 219.73,54.59 SW52.2
Net-(D53-A): length 17.9
  Bottom w0.2: D53.2 243.19,47.32 240.51,50.01 240.51,52.89 238.83,54.56 SW53.2
